# Allegro board STARRYSKY.brd

Outline 111.76 x 85.95 mm; copper layers: TOP, GND02, ART03, PWR04, GND05, ART06, GND07, BOTTOM. Coordinates in mm from the lower left corner of the outline.
Outline path: 0,81.89 0,4.06 arc(1.19,1.19) 4.06,0 107.7,0 arc(110.57,1.19) 111.76,4.06 111.76,81.89 arc(110.57,84.76) 107.7,85.95 4.06,85.95 arc(1.19,84.76) 0,81.89

## Design rules (mm)
net group 3V3_HFP_USB_DIFF: nets 3V3_HFP_USB_DN 3V3_HFP_USB_DP
net group 3V3_PL_UART_DIFF: nets 3V3_PL_UART_DN 3V3_PL_UART_DP
net group 3V3_SOC_UART_DIFF: nets 3V3_SOC_UART_DN 3V3_SOC_UART_DP
net group B35_L3_DIFF: nets B35_L3_N B35_L3_P
net group B35_L7_DIFF: nets B35_L7_N B35_L7_P
net group B35_L8_DIFF: nets B35_L8_N B35_L8_P
net group B35_L9_DIFF: nets B35_L9_N B35_L9_P
net group B35_L10_DIFF: nets B35_L10_N B35_L10_P
net group B35_L11_DIFF: nets B35_L11_N B35_L11_P
net group B35_L12_DIFF: nets B35_L12_N B35_L12_P
net group B35_L13_DIFF: nets B35_L13_N B35_L13_P
net group B35_L15_DIFF: nets B35_L15_N B35_L15_P
net group B35_L16_DIFF: nets B35_L16_N B35_L16_P
net group B35_L17_DIFF: nets B35_L17_N B35_L17_P
net group B35_L18_DIFF: nets B35_L18_N B35_L18_P
net group MAIN_DIFF: nets MAIN_DN MAIN_DP
net group PS_UART_DIFF: nets PS_UART_DN PS_UART_DP
net group PS_USB_DIFF: nets PS_USB_DN PS_USB_DP
net group CHIPLINK_MG: nets B13_L2_N B35_L1_N B35_L1_P B35_L2_N B35_L2_P B35_L4_N B35_L4_P B35_L5_N B35_L5_P B35_L6_N B35_L6_P B35_L14_N B35_L14_P B35_L19_N B35_L19_P B35_L20_N B35_L20_P B35_L21_N B35_L21_P B35_L23_P B35_L24_N B35_L24_P B35_L25
net group FPGA_JTAG_MG: nets FPGA_TCK FPGA_TDI FPGA_TDO FPGA_TMS
net group PL_AUDIO_MG: nets AUD_MCLK
net group PL_SDRAM: nets B33_L1_N B33_L1_P B33_L2_N B33_L4_N B33_L4_P B33_L6_N B33_L13_P B33_L14_N B33_L15_N B33_L15_P B33_L16_N B33_L25 B34_L1_N B34_L1_P B34_L2_N B34_L2_P B34_L3_P B34_L4_N B34_L4_P B34_L5_N B34_L6_N B34_L7_N B34_L7_P B34_L9_N B34_L9_P B34_L11_N B34_L11_P B34_L13_N B34_L14_N B34_L14_P B34_L15_N B34_L15_P B34_L17_N B34_L17_P B34_L18_N B34_L18_P B34_L19_P B34_L22_N B34_L22_P
net group PS_MIO_SD0_MG: nets PS_MIO40 PS_MIO41 PS_MIO42 PS_MIO43 PS_MIO44 PS_MIO45
net group PS_MIO_USB_MG: nets PS_MIO28 PS_MIO29 PS_MIO30 PS_MIO31 PS_MIO32 PS_MIO33 PS_MIO34 PS_MIO35 PS_MIO36 PS_MIO37 PS_MIO38 PS_MIO39
net group PS_SD_MG: nets N433298 PS_SD_CMD PS_SD_D0 PS_SD_D1 PS_SD_D2 PS_SD_D3
net group SOC_SDRAM: nets SOC_SDRAM_ADDR00 SOC_SDRAM_ADDR01 SOC_SDRAM_ADDR02 SOC_SDRAM_ADDR03 SOC_SDRAM_ADDR04 SOC_SDRAM_ADDR05 SOC_SDRAM_ADDR06 SOC_SDRAM_ADDR07 SOC_SDRAM_ADDR08 SOC_SDRAM_ADDR09 SOC_SDRAM_ADDR10 SOC_SDRAM_ADDR11 SOC_SDRAM_ADDR12 SOC_SDRAM_BA0 SOC_SDRAM_BA1 SOC_SDRAM_CAS SOC_SDRAM_CKE SOC_SDRAM_CLK SOC_SDRAM_CS SOC_SDRAM_DATA00 SOC_SDRAM_DATA01 SOC_SDRAM_DATA02 SOC_SDRAM_DATA03 SOC_SDRAM_DATA04 SOC_SDRAM_DATA05 SOC_SDRAM_DATA06 SOC_SDRAM_DATA07 SOC_SDRAM_DATA08 SOC_SDRAM_DATA09 SOC_SDRAM_DATA10 SOC_SDRAM_DATA11 SOC_SDRAM_DATA12 SOC_SDRAM_DATA13 SOC_SDRAM_DATA14 SOC_SDRAM_DATA15 SOC_SDRAM_DQM0 SOC_SDRAM_DQM1 SOC_SDRAM_RAS SOC_SDRAM_WE

## Placement (name value [footprint] x y rotation side)
C1  0.1uF  [C0402]  94.27 31.55 90 top
C2  0.1uF  [C0402]  93.27 31.55 90 top
C3  10uF  [C0402]  95.27 31.55 90 top
C4  1uF  [C0402]  105.37 31.55 90 top
C5  10uF  [C0402]  106.37 31.55 90 top
C6  10uF  [C0402]  96.27 31.55 90 top
C7  15pF  [C0402]  38.94 49.04 180 top
C8  0.1uF  [C0402]  30.6 47.49 90 top
C9  0.1uF  [C0402]  29.6 47.49 90 top
C10  10uF  [C0402]  96.27 19.87 90 top
C11  10uF  [C0402]  106.37 19.87 90 top
C12  0.1uF  [C0402]  93.27 19.87 90 top
C13  0.1uF  [C0402]  94.27 19.87 90 top
C14  10uF  [C0402]  95.27 19.87 90 top
C15  1uF  [C0402]  105.37 19.87 90 top
C16  15pF  [C0402]  42.3 61.17 90 top
C17  0.1uF  [C0402]  29.59 61.17 90 top
C18  0.1uF  [C0402]  30.59 61.17 90 top
C19  0.1uF  [C0402]  93.27 25.71 90 top
C20  0.1uF  [C0402]  94.27 25.71 90 top
C21  10uF  [C0402]  95.27 25.71 90 top
C22  1uF  [C0402]  105.37 25.71 90 top
C23  10uF  [C0402]  106.37 25.71 90 top
C24  10uF  [C0402]  96.27 25.71 90 top
C25  10uF  [C0402]  100.16 11.79 0 top
C26  10uF  [C0402]  100.16 12.79 0 top
C27  0.1uF  [C0402]  100.16 13.79 0 top
C28  0.1uF  [C0402]  100.16 14.79 0 top
C29  0.1uF  [C0402]  57.59 28.94 270 top
C30  0.1uF  [C0402]  64.63 28.94 270 top
C31  0.1uF  [C0402]  42.69 42.91 180 top
C32  0.1uF  [C0402]  42.69 47.45 180 top
C33  0.1uF  [C0402]  49 55.32 90 top
C34  0.1uF  [C0402]  54.9 55.32 90 top
C35  0.1uF  [C0402]  57.5 55.32 90 top
C36  0.1uF  [C0402]  59.5 55.32 90 top
C37  0.1uF  [C0402]  69.07 42.62 0 top
C38  0.1uF  [C0402]  21.43 55.59 180 top
C39  22nF  [C0402]  21.43 59.59 180 top
C40  10nF  [C0402]  21.43 56.59 180 top
C41  0.1uF  [C0402]  69.07 40.62 0 top
C42  0.1uF  [C0402]  46 55.32 90 top
C43  0.1uF  [C0402]  42.69 40.91 180 top
C44  0.1uF  [C0402]  42.69 41.91 180 top
C45  0.1uF  [C0402]  46.64 28.94 270 top
C46  0.1uF  [C0402]  42.69 50.22 180 top
C47  0.1uF  [C0402]  42.69 51.22 180 top
C48  0.1uF  [C0402]  42.69 48.45 180 top
C49  0.1uF  [C0402]  48 55.32 90 top
C50  0.1uF  [C0402]  47 55.32 90 top
C51  0.1uF  [C0402]  58.5 55.32 90 top
C52  0.1uF  [C0402]  69.07 49.97 0 top
C53  0.1uF  [C0402]  69.07 50.97 0 top
C54  0.1uF  [C0402]  69.07 41.62 0 top
C55  0.1uF  [C0402]  56.59 28.94 270 top
C56  0.1uF  [C0402]  47.64 28.94 270 top
C57  0.1uF  [C0402]  78.78 35.78 270 top
C58  0.1uF  [C0402]  69.47 34.87 270 top
C59  0.1uF  [C0402]  71.99 39.13 180 top
C60  0.1uF  [C0402]  78.78 33.98 270 top
C61  0.1uF  [C0402]  76.14 39.13 0 top
C62  0.1uF  [C0402]  78.78 37.58 270 top
C63  0.1uF  [C0402]  78.78 31.69 90 top
C64  0.1uF  [C0402]  66.44 10.83 270 top
C65  1uF  [C0402]  67.9 13.7 0 top
C66  0.1uF  [C0402]  65.43 10.83 270 top
C67  0.1uF  [C0402]  57 18.01 90 top
C68  0.1uF  [C0402]  57 16.21 90 top
C69  0.1uF  [C0402]  20.53 17.08 270 top
C70  10uF  [C0402]  19.53 17.08 270 top
C71  0.1uF  [C0402]  67.01 19.91 180 top
C72  0.1uF  [C0402]  60.3 18.91 180 top
C73  0.1uF  [C0402]  27.99 8.33 0 top
C74  0.1uF  [C0402]  27.99 7.32 180 top
C75  10pF  [C0402]  31.89 4.45 180 top
C76  0.1uF  [C0402]  31.81 16.75 270 top
C77  10pF  [C0402]  34.09 4.46 0 top
C78  0.1uF  [C0402]  36.71 3.95 270 top
C79  0.1uF  [C0402]  37.71 3.95 270 top
C80  0.1uF  [C0402]  50.06 12.42 0 top
C81  0.1uF  [C0402]  32.81 16.75 90 top
C82  0.1uF  [C0402]  39.72 14.01 180 top
C83  0.1uF  [C0402]  38.8 29.6 0 top
C84  0.1uF  [C0402]  10.85 23.81 0 top
C85  0.1uF  [C0402]  38.82 24.83 0 top
C86  0.1uF  [C0402]  13.83 28.07 0 top
C87  10uF  [C0402]  13.83 27.07 0 top
C88  0.1uF  [C0402]  24.13 29.25 180 top
C89  0.1uF  [C0402]  17.9 27.57 0 top
C90  0.1uF  [C0402]  19.17 57.76 90 top
C91  0.1uF  [C0402]  18.17 64.47 90 top
C92  0.1uF  [C0402]  18.29 51 180 top
C93  0.1uF  [C0402]  24.51 50.9 180 top
C94  10uF  [C0402]  18.29 50 180 top
C95  10uF  [C0402]  21.1 40.18 90 top
C96  18pF  [C0402]  19.29 39.29 0 top
C97  0.1uF  [C0402]  23.1 40.18 270 top
C98  0.1uF  [C0402]  24.1 40.18 270 top
C99  0.1uF  [C0402]  25.1 40.18 270 top
C100  18pF  [C0402]  17.1 39.29 180 top
C101  0.1uF  [C0402]  13.56 56.31 270 top
C102  1uF  [C0402]  14.56 56.31 270 top
C103  10uF  [C0402]  17.72 46.01 180 top
C104  0.1uF  [C0402]  17.72 45 180 top
C105  0.1uF  [C0402]  10.43 58.85 270 top
C106  0.1uF  [C0402]  83 51.25 180 top
C107  0.1uF  [C0402]  60.88 71.33 0 top
C108  0.1uF  [C0402]  67.6 72.33 0 top
C109  15pF  [C0402]  79.69 55.28 270 top
C110  0.1uF  [C0402]  70.01 54.67 180 top
C111  15pF  [C0402]  79.69 57.49 90 top
C112  0.1uF  [C0402]  93.9 74.2 270 top
C113  100pF  [C0402]  43.71 68.76 270 top
C114  47pF  [C0402]  46.71 68.76 270 top
C115  0.1uF  [C0402]  13.09 74.84 90 top
C116  0.1uF  [C0402]  1.57 74.84 90 top
C117  0.1uF  [C0402]  13.11 68.11 90 top
C118  0.1uF  [C0402]  1.57 68.14 90 top
C119  0.1uF  [C0402]  100.51 73.54 180 bottom
C120  0.1uF  [C0402]  90.33 73.54 180 bottom
C121  0.1uF  [C0402]  14.11 68.11 90 top
C122  0.1uF  [C0402]  14.09 74.84 90 top
C123  0.1uF  [C0402]  74.71 50.73 180 top
C124  0.1uF  [C0402]  78.24 52.59 0 top
C125  0.1uF  [C0402]  48.19 68.38 0 top
C126  0.1uF  [C0402]  54.9 69.38 0 top
C127  2.2uF  [C0402]  98.47 77.77 90 top
C128  0.1uF  [C0402]  91.46 62.48 0 top
C129  0.1uF  [C0402]  99.47 77.77 270 top
C130  10uF  [C0402]  81.93 63.42 180 top
C131  0.1uF  [C0402]  83.73 62.42 180 top
C132  10uF  [C0402]  93.26 62.48 0 top
C133  10uF  [C0402]  91.46 60.48 0 top
C134  0.1uF  [C0402]  91.46 61.48 0 top
C135  22uF  [C0402]  95.63 56.86 180 top
C136  22uF  [C0402]  88.72 58.2 270 top
C137  22uF  [C0402]  87.72 58.2 270 top
C138  22uF  [C0402]  91.46 59.48 0 top
C139  22uF  [C0402]  95.81 62.68 180 top
C140  20pF  [C0402]  85.71 65.94 90 top
C141  22uF  [C0402]  89.72 58.2 270 top
C142  20pF  [C0402]  88.71 65.94 90 top
C143  1uF  [C0402]  93.62 70.72 180 top
C144  0.1uF  [C0402]  95.81 69.28 0 top
C145  1uF  [C0402]  95.81 70.28 0 top
C146  0.1uF  [C0402]  95.81 71.28 180 top
C147  1uF  [C0402]  95.81 72.28 0 top
C148  0.1uF  [C0402]  95.81 73.28 180 top
C149  0.1uF  [C0402]  85.63 69.17 90 bottom
C150  10uF  [C0402]  84.63 69.17 90 bottom
C151  20pF  [C0402]  83.73 64.42 180 top
C152  20pF  [C0402]  83.73 61.42 180 top
C153  20pF  [C0402]  83.73 59.42 180 top
C154  1uF  [C0402]  95.22 36.9 0 top
C155  0.1uF  [C0402]  93.42 35.9 180 top
C156  0.1uF  [C0402]  93.42 34.9 180 top
C157  1uF  [C0402]  102.41 40.15 90 top
C158  39pF  [C0402]  93.42 33.9 0 top
C159  39pF  [C0402]  93.42 36.9 0 top
C160  0.1uF  [C0402]  74.11 71.83 180 top
C161  1uF  [C0402]  74.11 72.83 180 top
C162  0.1uF  [C0402]  72.12 48.43 180 top
C163  0.1uF  [C0402]  76.14 48.43 0 top
C164  0.1uF  [C0402]  78.78 46.89 270 top
C165  0.1uF  [C0402]  78.78 45.09 270 top
C166  0.1uF  [C0402]  78.78 43.29 270 top
C167  0.1uF  [C0402]  78.78 41 90 top
C168  0.1uF  [C0402]  69.48 44.18 270 top
C169  10uF  [C0402]  86.72 56.4 270 top
C170  0.1uF  [C0402]  86.72 58.2 270 top
C171  10uF  [C0402]  93.26 63.48 0 top
C172  0.1uF  [C0402]  91.46 63.48 0 top
C173  10uF  [C0402]  93.26 64.48 0 top
C174  0.1uF  [C0402]  91.46 64.48 0 top
C175  1uF  [C0402]  95.22 47.66 0 top
C176  0.1uF  [C0402]  93.42 46.66 180 top
C177  0.1uF  [C0402]  93.42 45.66 180 top
C178  1uF  [C0402]  102.4 50.28 90 top
C179  39pF  [C0402]  93.42 44.66 0 top
C180  39pF  [C0402]  93.42 47.66 0 top
C181  0.1uF  [C0402]  76.36 75.78 180 top
C182  0.1uF  [C0402]  75.09 66.9 0 top
C183  0.1uF  [C0402]  81.8 67.9 0 top
C184  330pF  [C0402]  105.43 37.4 90 top
C185  0.1uF  [C0402]  69.81 64.9 0 top
C186  0.1uF  [C0402]  79.99 64.45 0 top
C187  330pF  [C0402]  105.43 35.6 270 top
C188  NC  [C0402]  106.44 36.41 270 top
C189  330pF  [C0402]  105.43 47.55 90 top
C190  330pF  [C0402]  105.43 45.76 270 top
C191  NC  [C0402]  106.44 46.65 270 top
C192  0.1uF  [C0402]  90.9 38.28 90 top
CP1  10uF  [AEC-2-5R40X4R00-SM]  99.55 41.55 90 top
CP2  10uF  [AEC-2-5R40X4R00-SM]  99.55 51.64 90 top
D1  SMAJ5.0CA  [SMA-2R00X1R80]  98.67 8.19 0 top
F1  0805_2A  [L0805]  99.46 10.49 180 top
H1  FIXING-HOLE  [HOLE-3R10-4R10]  107.95 82.14 0 top
H2  FIXING-HOLE  [HOLE-3R10-4R10]  3.81 82.14 0 top
H3  FIXING-HOLE  [HOLE-3R10-4R10]  3.81 3.81 0 top
H4  FIXING-HOLE  [HOLE-3R10-4R10]  107.95 3.81 0 top
J1  USB_PWR  [USB-TYPEC-12-SM]  62.55 5.23 0 top
J2  DIP-OSC-100M  [DIP8-4-7R62X7R62]  36.44 43.2 90 top
J3  DC_PWR  [USB-TYPEC-12-SM]  74.42 5.23 0 top
J4  DIP-OSC-25M  [DIP8-4-7R62X7R62]  36.44 56.88 90 top
J5  SD_MICRO  [SD-MICRO-9-SM]  18.53 14.87 0 top
J6  ACA-SPI-004-K02  [ACA-SPI-004-K02-SM]  52.95 5.95 0 top
J7  SD_MICRO  [SD-MICRO-9-SM]  14.81 47.35 90 bottom
J8  JTAG  [HDR5X2-2R54-TM-VF]  4.67 25.76 90 top
J9  PS_PWR  [USB-TYPEC-12-SM]  5.23 61.01 270 top
J10  USB_HOST  [USB-STD-TYPEA-4-SM]  14.66 45.19 270 top
J11  PS2_PURPLE  [PS2-6-TM-VF]  64.24 79.58 180 top
J12  VGA  [DE-15-TM-RF]  39.21 74.96 180 top
J13  ACA-SPI-004-K02  [ACA-SPI-004-K02-SM]  89.45 79.12 0 top
J14  FPC-8  [FPC-8-0R50-1R30X0R30]  100.38 81.05 0 top
J15  AUD_OUT  [AV-6-2R30X1R60-SM]  102.67 61.01 270 top
J16  PL_SD  [SD-MICRO-9-SM]  83.63 71.1 0 bottom
J17  AUD_IN  [AV-6-2R30X1R60-SM]  102.67 71.25 270 top
J18  LSPK  [PH-2R00-TM-VM]  110.01 36.41 270 top
J19  USB_PL_UART  [USB-TYPEC-12-SM]  78.52 80.68 180 top
J20  RSPK  [PH-2R00-TM-VM]  110.01 46.65 270 top
J21  PL_EXTN  [HDR20X2-1R27-SM-VF]  55.88 24.59 180 top
J22  DF40C-100DS-0.4V  [B2B-100-0R40-SM-VF]  63.11 59.06 180 bottom
J23  DF40C-100DS-0.4V  [B2B-100-0R40-SM-VF]  81.47 44.55 90 bottom
J24  DF40C-100DS-0.4V  [B2B-100-0R40-SM-VF]  63.11 30.04 0 bottom
J25  DF40C-100DS-0.4V  [B2B-100-0R40-SM-VF]  27.38 44.55 270 bottom
L1  600OHM@100MHz 1.5A  [L0805]  30.3 44.84 270 top
L2  600OHM@100MHz 1.5A  [L0805]  30.3 58.53 270 top
L3  600OHM@100MHz 1.5A  [L0805]  69.77 52.27 180 top
L4  600OHM@100MHz 1.5A  [L0805]  56.2 56.02 270 top
L5  600OHM@100MHz 1.5A  [L0805]  21.83 17.78 270 top
L6  600OHM@100MHz 1.5A  [L0805]  14.53 25.77 0 top
L7  600OHM@100MHz 1.5A  [L0805]  86.93 68.47 90 bottom
L8  180OHM@100MHz 1.5A  [L0805]  96.41 40.83 90 top
L9  180OHM@100MHz 1.5A  [L0805]  96.41 50.97 90 top
LED1  RED  [LED0603]  93.36 28.96 90 top
LED2  BLUE  [LED0603]  38.71 1.65 90 top
LED3  BLUE  [LED0603]  17.49 24.96 270 top
LED4  BLUE  [LED0603]  58.92 68.67 180 top
LED5  BLUE  [LED0603]  63.92 68.64 180 top
LED6  WS2812C  [LED5050]  4.72 69.73 90 top
LED7  WS2812C  [LED5050]  9.97 69.73 90 top
LED8  WS2812C  [LED5050]  9.93 76.45 90 top
LED9  WS2812C  [LED5050]  4.72 76.45 90 top
Q1  RUM001L02T2CL  [SOT-723-3-0R49X0R29]  19.07 25.63 0 top
Q2  RUM001L02T2CL  [SOT-723-3-0R49X0R29]  61.43 68.69 0 top
Q3  RUM001L02T2CL  [SOT-723-3-0R49X0R29]  66.35 68.69 0 top
R1  56K  [R0402]  95.86 29.87 0 top
R2  2K  [R0402]  94.46 29.46 90 top
R3  5.1K  [R0402]  60.89 9.42 0 top
R4  1K  [R0402]  105.37 29.46 90 top
R5  33R  [R0402]  40.74 49.04 0 top
R6  NC  [R0402]  106.37 29.46 90 top
R7  5.1K  [R0402]  65.83 9.42 0 top
R8  4.7K  [R0402]  30.59 42.21 90 top
R9  10K  [R0402]  95.86 28.87 180 top
R10  26K  [R0402]  95.86 18.19 0 top
R11  1K  [R0402]  105.37 17.78 90 top
R12  NC  [R0402]  106.37 17.78 90 top
R13  33R  [R0402]  42.3 59.37 270 top
R14  4.7K  [R0402]  30.59 55.88 90 top
R15  10K  [R0402]  95.86 17.19 180 top
R16  8.06K  [R0402]  95.86 24.03 0 top
R17  1K  [R0402]  105.37 23.62 90 top
R18  NC  [R0402]  106.37 23.62 90 top
R19  10K  [R0402]  95.86 23.03 180 top
R20  0R  [R0402]  63.27 55.32 90 top
R21  5K  [R0402]  88.36 35.81 90 top
R22  0R  [R0402]  64.27 55.32 90 top
R23  5K  [R0402]  89.63 35.81 90 top
R24  0R  [R0402]  65.27 55.32 90 top
R25  5K  [R0402]  90.9 35.81 90 top
R26  1M  [R0402]  28.41 57.64 180 top
R27  14K  [R0402]  21.43 57.59 0 top
R28  5K  [R0402]  83.28 24.61 90 top
R29  5K  [R0402]  84.55 24.61 90 top
R30  0R  [R0402]  28.41 56.64 180 top
R31  5K  [R0402]  85.82 24.61 90 top
R32  5K  [R0402]  87.09 24.61 90 top
R33  5K  [R0402]  88.36 24.61 90 top
R34  10K  [R0402]  21.43 58.59 180 top
R35  5K  [R0402]  90.9 24.61 90 top
R36  5K  [R0402]  89.63 24.61 90 top
R37  0R  [R0402]  69.07 47.97 0 top
R38  0R  [R0402]  69.07 48.97 0 top
R39  5K  [R0402]  74.68 24.51 90 top
R40  5K  [R0402]  75.95 24.51 90 top
R41  5K  [R0402]  77.22 24.51 90 top
R42  5K  [R0402]  78.49 24.51 90 top
R43  0R  [R0402]  68.44 10.83 90 top
R44  2K  [R0402]  39.72 16.01 0 top
R45  0R  [R0402]  67.44 10.83 90 top
R46  0R  [R0402]  59.23 15.37 180 top
R47  0R  [R0402]  59.23 14.37 180 top
R48  4.7K  [R0402]  17.43 17.06 270 top
R49  4.7K  [R0402]  18.53 17.08 270 top
R50  4.7K  [R0402]  16.33 17.06 270 top
R51  33R  [R0402]  14.13 17.06 270 top
R52  4.7K  [R0402]  11.93 17.06 270 top
R53  4.7K  [R0402]  10.83 17.06 270 top
R54  4.7K  [R0402]  9.73 17.06 270 top
R55  4.7K  [R0402]  49.11 18.01 90 top
R56  4.7K  [R0402]  67.9 14.7 0 top
R57  4.7K  [R0402]  60.3 19.91 0 top
R58  10K  [R0402]  27.99 9.33 180 top
R59  330R  [R0402]  39.71 3.95 270 top
R60  2K  [R0402]  38.71 3.95 90 top
R61  10K  [R0402]  51.86 12.42 0 top
R62  10K  [R0402]  33.81 16.75 90 top
R63  10K  [R0402]  39.72 15.01 0 top
R64  4.7K  [R0402]  13.83 31.07 0 top
R65  4.7K  [R0402]  13.83 29.07 0 top
R66  20K  [R0402]  35.17 30.22 0 top
R67  20K  [R0402]  35.17 29.22 0 top
R68  4.7K  [R0402]  13.83 30.07 0 top
R69  NC  [R0402]  40.6 29.6 0 top
R70  33R  [R0402]  13.83 32.07 180 top
R71  150R  [R0402]  35.17 27.22 180 top
R72  4.7K  [R0402]  13.83 33.07 0 top
R73  150R  [R0402]  35.17 28.22 180 top
R74  4.7K  [R0402]  13.83 34.07 0 top
R75  4.7K  [R0402]  13.83 35.07 0 top
R76  20K  [R0402]  35.76 49.05 0 top
R77  NC  [R0402]  40.61 24.83 0 top
R78  20K  [R0402]  33.96 49.05 180 top
R79  20K  [R0402]  32.16 49.05 180 top
R80  20K  [R0402]  28.3 49.69 180 top
R81  2K  [R0402]  17.49 22.66 90 top
R82  20K  [R0402]  28.3 50.69 180 top
R83  NC  [R0402]  18.91 23.88 90 top
R84  4.7K  [R0402]  24.13 34.45 180 top
R85  10K  [R0402]  27.3 26.64 0 top
R86  5.1K  [R0402]  9.43 62.67 270 top
R87  22R  [R0402]  24.13 32.5 180 top
R88  10K  [R0402]  27.3 22.82 0 top
R89  5.1K  [R0402]  9.43 58.85 270 top
R90  1K  [R0402]  17.72 44 0 top
R91  4.7K  [R0402]  19.17 64.47 270 top
R92  1.5K  [R0402]  22.1 40.18 90 top
R93  10K  [R0402]  24.51 49 180 top
R94  100K  [R0402]  18.29 49 180 top
R95  0R  [R0402]  11.56 56.31 90 top
R96  4.7K  [R0402]  17.72 43 180 top
R97  1M  [R0402]  18.19 40.29 0 top
R98  0R  [R0402]  12.56 56.31 90 top
R99  33R  [R0402]  26.1 40.18 90 top
R100  0R  [R0402]  14.95 65.6 90 top
R101  0R  [R0402]  13.95 65.6 90 top
R102  8.06K  [R0402]  17.72 42 0 top
R103  4.7K  [R0402]  15.56 56.31 270 top
R104  2K  [R0402]  58.42 69.77 180 top
R105  2K  [R0402]  21.57 78.01 0 top
R106  4.7K  [R0402]  67.6 71.33 180 top
R107  4.7K  [R0402]  83 52.25 180 top
R108  4.7K  [R0402]  83 53.25 180 top
R109  NC  [R0402]  58.42 67.57 0 top
R110  2K  [R0402]  63.42 69.74 180 top
R111  NC  [R0402]  63.42 67.54 0 top
R112  10K  [R0402]  69.4 71.33 180 top
R113  1740R  [R0402]  42.71 68.76 90 top
R114  100R  [R0402]  44.71 68.76 270 top
R115  10K  [R0402]  93.89 84.07 90 top
R116  866R  [R0402]  41.71 68.76 90 top
R117  430R  [R0402]  40.71 68.76 90 top
R118  100R  [R0402]  45.71 68.76 270 top
R119  215R  [R0402]  39.71 68.76 90 top
R120  1740R  [R0402]  38.71 68.76 90 top
R121  866R  [R0402]  37.71 68.76 90 top
R122  430R  [R0402]  36.71 68.76 90 top
R123  215R  [R0402]  35.71 68.76 90 top
R124  1740R  [R0402]  34.71 68.76 90 top
R125  866R  [R0402]  33.71 68.76 90 top
R126  430R  [R0402]  32.71 68.76 90 top
R127  215R  [R0402]  31.71 68.76 90 top
R128  4.7K  [R0402]  100.51 68.34 180 bottom
R129  4.7K  [R0402]  15.09 74.84 270 top
R130  4.7K  [R0402]  78.24 51.59 180 top
R131  4.7K  [R0402]  54.9 68.38 180 top
R132  5.1R  [R0402]  97.47 77.77 90 top
R133  10K  [R0402]  100.47 77.77 90 top
R134  4.7R  [R0402]  93.26 61.48 0 top
R135  0R  [R0402]  93.26 60.48 0 top
R136  100R  [R0402]  83.73 63.42 0 top
R137  0R  [R0402]  95.63 57.86 0 top
R138  33R  [R0402]  88.72 56.4 270 top
R139  100R  [R0402]  86.71 65.94 270 top
R140  33R  [R0402]  87.72 56.4 270 top
R141  100R  [R0402]  87.71 65.94 270 top
R142  33R  [R0402]  93.26 59.48 0 top
R143  0R  [R0402]  95.81 63.68 0 top
R144  4.7K  [R0402]  83.63 69.17 90 bottom
R145  4.7K  [R0402]  82.53 69.17 90 bottom
R146  4.7K  [R0402]  81.43 69.17 90 bottom
R147  33R  [R0402]  89.72 56.4 270 top
R148  33R  [R0402]  81.93 64.42 0 top
R149  33R  [R0402]  81.93 61.42 0 top
R150  33R  [R0402]  81.93 59.42 0 top
R151  33R  [R0402]  83.73 60.42 0 top
R152  1K  [R0402]  93.62 69.72 180 top
R153  33R  [R0402]  85.72 58.2 90 top
R154  2K  [R0402]  93.62 71.72 180 top
R155  33R  [R0402]  79.23 69.17 90 bottom
R156  2K  [R0402]  95.81 68.28 0 top
R157  4.7K  [R0402]  77.03 69.17 90 bottom
R158  0R  [R0402]  95.81 67.28 0 top
R159  4.7K  [R0402]  75.93 69.17 90 bottom
R160  4.7K  [R0402]  74.83 69.17 90 bottom
R161  0R  [R0402]  95.81 74.28 180 top
R162  10K  [R0402]  92.01 45.06 270 top
R163  10K  [R0402]  89.72 65.94 270 top
R164  0R  [R0402]  74.11 73.83 0 top
R165  0R  [R0402]  74.11 74.83 0 top
R166  30K  [R0402]  95.22 35.9 180 top
R167  30K  [R0402]  95.22 34.9 180 top
R168  0R  [R0402]  90.73 56.41 90 top
R169  0R  [R0402]  82.93 71.83 0 top
R170  0R  [R0402]  82.93 72.83 0 top
R171  30K  [R0402]  95.22 46.66 180 top
R172  30K  [R0402]  95.22 45.66 180 top
R173  4.7K  [R0402]  74.11 70.83 180 top
R174  4.7K  [R0402]  81.8 66.9 180 top
R175  0R  [R0402]  103.89 37 0 top
R176  4.7K  [R0402]  69.81 59.7 0 top
R177  0R  [R0402]  103.89 36 0 top
R178  0R  [R0402]  103.89 47.16 0 top
R179  5.1K  [R0402]  80.18 76.78 180 top
R180  0R  [R0402]  103.89 46.16 0 top
R181  5.1K  [R0402]  76.36 76.78 180 top
R182  0R  [R0402]  55.59 28.94 270 top
R183  NC  [R0402]  87.7 41.28 0 top
R184  0R  [R0402]  89.5 41.28 180 top
R185  33R  [R0402]  85.9 38.28 90 top
SW1  PWR-SEL1  [SW-3-12R7X6R6]  82.73 6.5 0 top
SW2  PWR-SEL2  [SW-3-12R7X6R6]  90.33 6.5 0 top
SW3  PWR-LOCK  [SW-6-LOCK-DPDT-TM]  97.85 3.34 180 top
SW4  PLL-SEL  [DIP-SW-4-1R27X0R76-SM]  88.99 30.2 0 top
SW5  CLK-SEL  [DIP-SW-8-1R52X0R76-SM]  86.45 18.86 0 top
SW6  SOC-RESET  [SW-4-1R20X0R65-SM]  25.38 61 0 top
SW7  CORE-SEL  [DIP-SW-6-1R27X0R76-SM]  75.32 18.89 0 top
SW8  HFP-SW  [SW-6-SLIDE-DPDT-TM]  44.27 16.1 180 top
SW9  HFP-RESET  [SW-4-1R20X0R65-SM]  27.32 3.18 270 top
SW10  HFP-BOOT  [SW-4-1R20X0R65-SM]  27.32 13.03 270 top
SW11  HFP-USER  [SW-4-1R20X0R65-SM]  44.27 1.91 0 top
SW12  PS-EXT-RESET  [SW-4-1R20X0R65-SM]  39.71 31.99 180 top
SW13  FPGA-BOOT  [DIP-SW-2-1R52X0R76-SM]  31.92 28.64 0 top
SW14  PS-PWR-RESET  [SW-4-1R20X0R65-SM]  39.71 27.2 180 top
SW15  PS-KEY1  [SW-4-1R20X0R65-SM]  23.29 25.56 180 top
SW16  PS-KEY2  [SW-4-1R20X0R65-SM]  23.29 21.74 180 top
SW17  PERIP-SW  [SW-6-SLIDE-DPDT-TM]  19.98 72.98 0 top
SW18  PL-KEY  [SW-4-1R20X0R65-SM]  69.9 68.62 180 top
SW19  PA-SW  [SW-6-SLIDE-DPDT-TM]  87.87 46.13 180 top
TP1  OSC_25M_IN  [TP1X1-1R00-SM]  45.62 53.36 0 top
TP2  OSC_100M_IN  [TP1X1-1R00-SM]  44.47 53.36 0 top
TP3  CLK4DIV  [TP1X1-1R00-SM]  43.31 53.36 0 top
TP4  HFP_VCC_3V3  [TP1X1-1R00-SM]  30.28 16.96 0 top
TP5  HFP_SWDIO  [TP1X1-1R00-SM]  29.13 16.96 0 top
TP6  HFP_SWCLK  [TP1X1-1R00-SM]  27.98 16.96 0 top
TP7  HFP_GND  [TP1X1-1R00-SM]  26.83 16.96 0 top
U1  RT2515H  [SOIC-8-1R80X0R60-THRM]  100.82 30.51 90 top
U2  RT2515H  [SOIC-8-1R80X0R60-THRM]  100.82 18.82 90 top
U3  SOC-28NM-202301  [LQFP-144-1R80X0R28]  55.88 42.13 0 top
U4  RT2515H  [SOIC-8-1R80X0R60-THRM]  100.82 24.67 90 top
U5  LPSDRAM_16X16  [FBGA-54-0R36-8R00X8R00]  74.13 34.48 0 top
U6  TPS3808G01  [SOT-23-6-1R10X0R60]  24.92 57.59 180 top
U7  WAS3157B  [SOT-363-6-0R80X0R40]  45.89 10.67 270 top
U8  CP2102  [QFN-28-0R90X0R25]  63.56 15.16 90 top
U9  WAS3157B  [SOT-363-6-0R80X0R40]  42.66 10.67 270 top
U10  WAS3157B  [SOT-363-6-0R80X0R40]  42.66 7.9 270 top
U11  WAS3157B  [SOT-363-6-0R80X0R40]  45.89 5.13 270 top
U12  WAS3157B  [SOT-363-6-0R80X0R40]  42.66 5.13 270 top
U13  TXS0108E  [TSSOP-20-1R50X0R45]  53.06 17.4 270 top
U14  WAS3157B  [SOT-363-6-0R80X0R40]  45.89 7.9 270 top
U15  TXS0102  [VSSOP-8-0R80X0R30]  63.66 19.66 90 top
U16  STM/CH32V103C8T6  [LQFP-48-1R20X0R30]  34.56 10.31 0 top
U17  W25Q128JVSIQ  [SOIC-8-2R25X0R63]  34.56 20.44 90 top
U18  RCLAMP0524P  [DFN-10-0R68X0R20]  10.85 25.76 90 top
U19  TXS0108E  [TSSOP-20-1R50X0R45]  19.04 31.53 180 top
U20  TXS0102  [VSSOP-8-0R80X0R30]  18.92 61.12 0 top
U21  TPS2051BDBV  [SOT-23-5-1R10X0R60]  21.4 49.95 0 top
U22  CP2102  [QFN-28-0R90X0R25]  14.45 61.01 0 top
U23  USB3320C  [QFN-32-0R80X0R28]  22.41 44.87 180 top
U24  AT24C64  [SOIC-8-1R80X0R60]  87.93 52.92 90 top
U25  TXS0102  [VSSOP-8-0R80X0R30]  64.24 71.58 270 top
U26  WAS3157B  [SOT-363-6-0R80X0R40]  54.54 64.97 0 top
U27  WAS3157B  [SOT-363-6-0R80X0R40]  52 64.97 0 top
U28  PCF8563B  [SOIC-8-1R80X0R60]  74.88 56.57 90 top
U29  WAS3157B  [SOT-363-6-0R80X0R40]  29.19 64.97 0 top
U30  WAS3157B  [SOT-363-6-0R80X0R40]  26.65 64.97 0 top
U31  WAS3157B  [SOT-363-6-0R80X0R40]  24.11 64.97 0 top
U32  WAS3157B  [SOT-363-6-0R80X0R40]  21.58 64.97 0 top
U33  WAS3157B  [SOT-363-6-0R80X0R40]  36.79 64.97 0 top
U34  WAS3157B  [SOT-363-6-0R80X0R40]  39.33 64.97 0 top
U35  WAS3157B  [SOT-363-6-0R80X0R40]  34.26 64.97 0 top
U36  WAS3157B  [SOT-363-6-0R80X0R40]  31.72 64.97 0 top
U37  WAS3157B  [SOT-363-6-0R80X0R40]  49.47 64.97 0 top
U38  WAS3157B  [SOT-363-6-0R80X0R40]  46.93 64.97 0 top
U39  WAS3157B  [SOT-363-6-0R80X0R40]  44.4 64.97 0 top
U40  WAS3157B  [SOT-363-6-0R80X0R40]  41.86 64.97 0 top
U41  TXS0108E  [TSSOP-20-1R50X0R45]  95.42 71.26 180 bottom
U42  TXS0102  [VSSOP-8-0R80X0R30]  14.62 71.48 0 top
U43  TXS0102  [VSSOP-8-0R80X0R30]  74.88 52.34 270 top
U44  WAS3157B  [SOT-363-6-0R80X0R40]  59.61 64.97 0 top
U45  WAS3157B  [SOT-363-6-0R80X0R40]  57.07 64.97 0 top
U46  TXS0102  [VSSOP-8-0R80X0R30]  51.54 68.63 270 top
U47  ES8388  [QFN-28-0R66X0R22]  87.6 62.07 270 top
U48  LPSDRAM_32X16  [FBGA-54-0R36-8R00X8R00]  74.13 43.79 0 top
U49  NS4150B  [MSOP-8-1R70X0R35]  99.55 36.49 270 top
U50  CP2102  [QFN-28-0R90X0R25]  78.52 71.9 270 top
U51  NS4150B  [MSOP-8-1R70X0R35]  99.55 46.66 270 top
U52  TXS0102  [VSSOP-8-0R80X0R30]  78.45 67.15 270 top
U53  TXS0108E  [TSSOP-20-1R50X0R45]  74.89 62.62 0 top